# Altium PCB main_MM.PcbDoc (part 2 of 2)
Units mil, origin at the board's own origin, x right, y up, seen from the top; angles counter-clockwise.
Board outline 3012.01 x 3916.34 mil, 2 copper layers (Top Layer, Bottom Layer), stack 57.918 mil thick; 150 components, 93 nets, 477 pads, 89 vias.
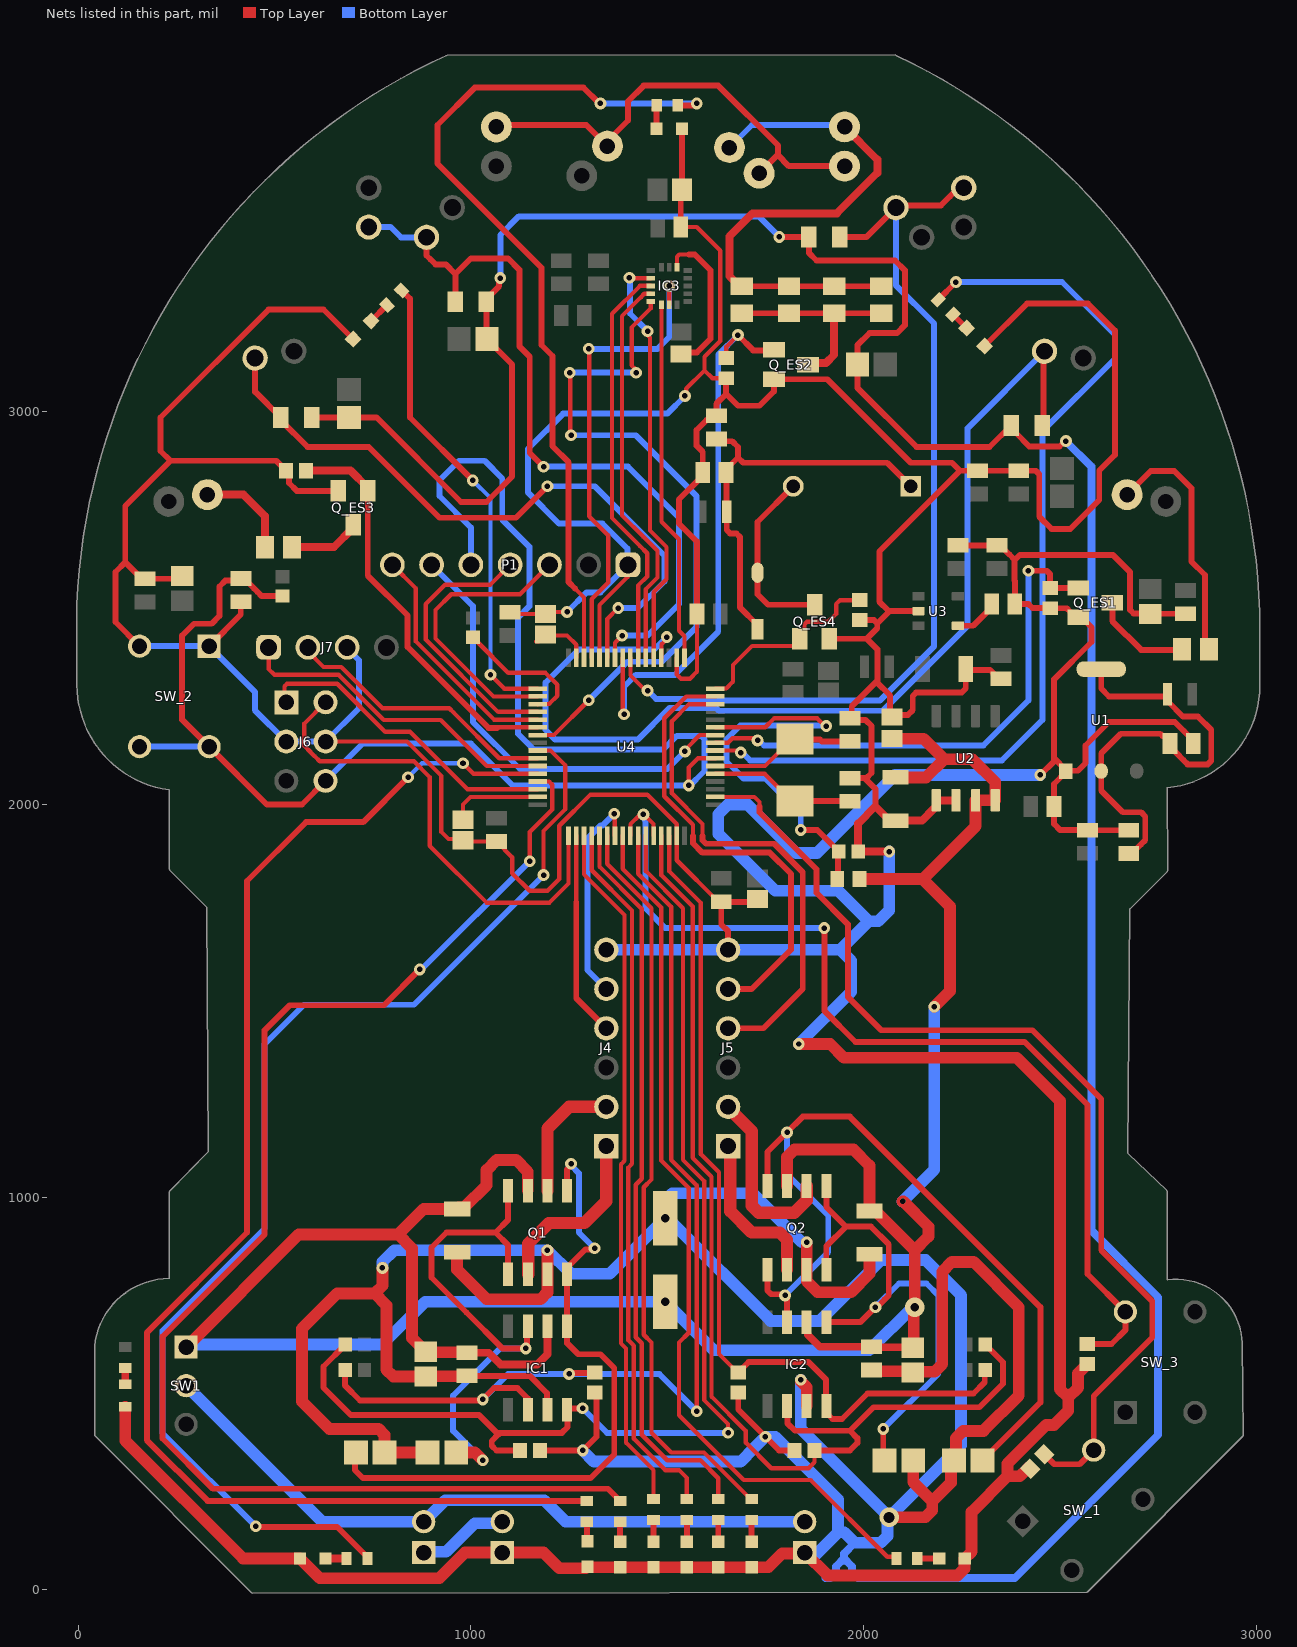
[diagram p2: the nets of this part, all layers, seen from the top]

## Via types
v1: diameter 30, hole 14, Top Layer to Bottom Layer, tented both sides, 73 vias
v2: diameter 98.43, hole 98.43, Top Layer to Bottom Layer, 4 vias
v3: diameter 50/50 (per signal layer), hole 21, Top Layer to Bottom Layer, 4 vias
v4: diameter 30, hole 14, Top Layer to Bottom Layer, tented top, 3 vias
v5: diameter 30, hole 14, Top Layer to Bottom Layer, 2 vias
v6: diameter 14, hole 14, Top Layer to Bottom Layer, tented bottom, 1 vias
v7: diameter 30, hole 15, Top Layer to Bottom Layer, 1 vias
v8: diameter 50, hole 28, Top Layer to Bottom Layer, 1 vias

## Nets (pads, with @x,y where several pads share a name; then routed paths per layer and width w, separated by ;. In a path a pad name is that pad's centre, name@x,y a point inside that pad or via, vN(x,y) a via of type N, cw(c..) or ccw(c..) an arc to the next point about the centre after c; other vN are vias at no path point) (continued)
AGND2: C_L_RE1.1 C_LF_RE1.1 C_R_RE1.1 NT3.2 R_L_R.1 R_LFr.1 R_R_R.1 R_RFr.1 | length 6978.9
  Top Layer w15: R_LFr.1@595,2985 C_LF_RE1.1@689.57,2985 ; C_LF_RE1.1@690,2985.43 759.57,2985.43 975,2770 1040,2770 1105,2835 1105,3119.88 1040.87,3184.02 C_L_RE1.1@1040.87,3185 ; C_L_RE1.1@1040.24,3185 1040.24,3287.76 1072.13,3319.65 1072.13,3337.13 v1(1075,3340) ; v1(1785,3445) R_R_R.1@1860.63,3445 1860.63,3404.37 1880,3385 2080,3385 2105,3360 2105,3220 2085,3200 2015,3200 1984.13,3169.13 C_R_RE1.1@1984.13,3120 1984.13,3060.87 2135,2910 2320.63,2910 R_RFr.1@2375.63,2965 2387.82,2952.81 2387.82,2945.49 2421.83,2911.48 2498.71,2911.48 2512.24,2925 v1(2515,2925)
  Bottom Layer w15: v1(1075,3340) 1075,3450 1122.26,3497.26 1732.74,3497.26 v1(1785,3445)
  Bottom Layer w20: 1999.96,30 NT3.2@2010,30 2385,30 2750,395 2750,745 2580,915 2580,2860 v1(2515,2925)
BOOT0: R_PB1.1 SW_3.2 U4.57 U4.60 | length 2559.2
  Top Layer w11: U4.57@1406.22,1920.67 1406.5,1920.95 1406.5,1949.88 1427.98,1971.36 1436.38,1971.36 v1(1439.53,1974.52) ; v1@1440,1975 1465,1950 1465,1920.95 U4.60@1465.28,1920.67
  Top Layer w15: v1(1900,1685) 1900,1474.37 1979.37,1395 2410,1395 2570,1235 2570,804.37 SW_3.2@2666.42,707.95 2666.42,661.42 2631.18,626.18 R_PB1.1@2570,626.18
  Bottom Layer w15: v1(1439.53,1974.52) 1442.4,1971.65 1442.4,1961.99 1445,1959.39 1445,1735 1495,1685 v1(1900,1685)
BUZZER: Q_ES4.1 R_BZ.2 U4.16 | length 517.4
  Top Layer w11: U4.16@1622.76,2294.69 1623.16,2295.09 1650.09,2295.09 1667.63,2312.63 1667.63,2355 1716.12,2403.49 1823.41,2403.49 1837.6,2417.67 Q_ES4.1@1837.6,2421.69 1849.31,2433.41 1849.31,2458.56 1855.76,2465 1910,2465 1930,2485 1930,2510 1940,2520 1989.41,2520 R_BZ.2@1990,2520.59
CE: P1.7 U4.37 | length 612.3
  Top Layer w11: P1.7@800,2610 860,2550 860,2415 1059.05,2215.95 U4.37@1170,2215.95
CLK: P1.3 U4.34 | length 731.2
  Top Layer w11: U4.34@1170,2275 1057.64,2275 910,2422.64 910,2495 950,2535 1125,2535 P1.3@1200,2610
CS: IC3.5 U4.39 | length 1759.4
  Top Layer w11: U4.39@1170,2176.58 1211.58,2176.58 v1(1300,2265) ; v1(1251.57,3099.36) 1253.28,3097.64 1253.28,2941.72 v1(1255,2940) ; v1@1416.86,3110.28 1409.27,3117.87 1409.27,3214.27 1457.76,3262.76 IC3.5@1457.76,3280.63
  Bottom Layer w15: v1(1251.57,3099.36) v1(1420.49,3099.36) ; v1(1255,2940) 1420,2940 1575,2785 1575,2452.27 1486.1,2363.37 1398.37,2363.37 v1(1300,2265)
D_C: P1.6 U4.10 | length 1149.1
  Top Layer w11: v1(1545,2135) 1545,2138.94 1582.63,2176.58 U4.10@1622.76,2176.58
  Bottom Layer w15: P1.6@900,2610 1005,2505 1005,2210 1125,2090 1500,2090 v1(1545,2135)
DATA_IN: P1.4 U4.36 | length 707.8
  Top Layer w11: P1.4@1100,2610 1049.67,2559.67 934.67,2559.67 885,2510 885,2420 1069.37,2235.63 U4.36@1170,2235.63
DIAGONAL_EMITTER: Q_ES2.1 R_EMPD2.2 U4.25 | length 1469.1
  Top Layer w11: U4.25@1386.54,2373.43 1386.81,2373.15 1386.81,2232.69 v1(1390,2229.51) ; R_EMPD2.2@1650,3136.18 1650,3165 v1(1680,3195)
  Top Layer w15: v1(1680,3195) 1718.8,3156.2 1770.49,3156.2 Q_ES2.1@1771.69,3157.4
  Bottom Layer w15: v1(1390,2229.51) 1390,2300 1420,2330 1520,2330 1630,2440 1630,3145 v1(1680,3195)
DRDY: IC3.6 U4.17 | length 923.7
  Top Layer w11: IC3.6@1485.32,3272.76 1485.49,3272.58 1485.49,3205 1485.49,2719.51 1530,2675 1530,2442.36 1544.09,2428.27 1544.09,2404.09 1544.09,2373.5 U4.17@1544.02,2373.43
GND: C_3.3V1.2 C_3.3V2.2 C_3.3V4.2 C_3.3V5.2 C_3V3RE1.2 C_3V3RE2.2 C_3V3RE3.2 C_3V3RE4.2 C_5V_1.2 C_5V_2.2 C_BAT.2 C_BZ1.2 C_BZ2.2 C_EM1.2 C_EM2.1 C_EM3.2 C_EM4.1 C_EM5.2 C_EM6.1 C_OSC1.2 C_OSC2.2 C_RST1.2 C_V1.1 C_V2.2 C_V3.2 C_V4.2 C_VBAT3.2 C_VBAT4.1 C_VCAP1.1 C_VCAP2.1 CNR1.2 J1.1 J2.1 J4.6 J5.6 J6.3 J6.4 J7.3 LED1.1 LED2.1 LED3.1 LED4.1 LED5.1 LED6.1 LED7.1 LED8.1 LED9.1 LED10.1 LED11.1 NT1.2 NT2.1 NT3.1 P1.1 PWR.2 Q_ES1.2 Q_ES2.2 Q_ES3.2 Q_ES4.2 R_BT1.1 R_BZ.1 R_EMPD1.1 R_EMPD2.1 R_EMPD3.1 R_LM1.1 R_LM2.1 R_PB1.2 R_RM1.1 R_RM2.1 R_VM2.1 SW_2.1 SW_2.3 U1.1 U2.1 U2.2 U3.2 U4.18 U4.28 U4.63 | length 23991.6
  Top Layer w11: J6.4@630,2160 837.33,2160 925,2072.33 925,1930 943.25,1911.75 977.1,1911.75 C_VCAP2.1@980,1908.86 983.38,1905.47 C_V2.2@1065,1905.47 1105,1865.47 1105,1825 1150,1780 1195,1780 1225,1810 1225,1945.55 1304.45,2025 1448.94,2025 1524.05,1949.88 1524.05,1920.95 U4.63@1524.33,1920.67 1524.47,1920.53 1524.47,1857.67 C_V3.2@1629.56,1752.58 ; C_V4.2@1092.13,2489.06 C_V4.2@1100,2489.06 1104.06,2485 C_VCAP1.1@1190,2485 1195,2490 v1(1245,2490) ; U4.28@1327.48,2373.43 1327.48,2507.48 1400,2580 P1.1@1400,2610 P1.1@1384.95,2594.95 ; U4.18@1524.33,2373.43 1524.33,2330.67 1535,2320 1557.87,2320 1575.94,2338.07 C_V1.1@1575.94,2485 ; C_EM3.2@1534.53,3470 1575,3470 1635,3410 1635,3180 1595,3140 1595,3105 ; v1(1545,3040) 1548.64,3043.64 1548.64,3058.64 1595,3105 ; R_EMPD2.1@1650,3085 1615,3085 1595,3105
  Top Layer w15: SW_2.3@156.42,2402.95 95,2464.37 95,2591.65 120,2616.65 ; C_EM4.1@265,2581.5 258.03,2574.53 C_EM5.2@170,2574.53 162.13,2574.53 120,2616.65 ; SW_2.1@333.58,2402.95 414.16,2483.53 414.16,2515.1 C_RST1.2@415,2515.94 ; J6.3@523.43,2160 J6.3@530,2160 ; R_EMPD3.1@529.41,2848.03 528.48,2849.33 519.19,2862.19 517.22,2862.19 504.41,2875 235,2875 ; R_EMPD3.1@529.41,2850 536.82,2842.59 536.82,2818.18 556.69,2798.31 Q_ES3.2@662.6,2798.31 ; LED9.1@700,3185 625,3260 485,3260 210,2985 210,2900 235,2875 ; R_LM2.1@1176.18,355 v1(1285,355) 1319.95,389.95 1319.95,497.64 R_LM1.1@1315,502.6 ; C_EM3.2@1534.53,3470 1534.53,3561.54 1537.48,3564.49 LED11.1@1537.48,3720 ; C_V1.1@1575.94,2485 1575.94,2669.06 1530,2715 1530,2776.65 1590.47,2837.13 C_BZ2.2@1590.47,2845 1590.47,2897.8 1575,2913.28 1575,2953.24 1600.09,2978.33 1613.8,2978.33 C_BZ1.2@1625,2989.53 1625,3020 1650,3045 ; C_V3.2@1637.43,1752.58 1637.43,1694.35 1655,1676.78 J5.6@1655,1630 ; C_V3.2@1644.07,1751.64 1722.79,1751.64 C_BAT.2@1730,1758.86 ; R_EMPD2.1@1650,3085 1650,3045 ; R_RM2.1@1680.79,502.6 1680.79,459.21 v1(1750,390) 1785,355 R_RM1.1@1823.82,355 ; Q_ES4.2@1916.91,2421.69 2008.31,2421.69 ; C_OSC2.2@1965,2066.88 2006.88,2066.88 2020,2080 2020,2200 2005.29,2214.71 1967.69,2214.71 1965,2217.4 1969.82,2222.22 1969.82,2249.82 2032.35,2312.35 ; R_BZ.1@1990,2469.41 2026.03,2469.41 2034.81,2460.62 ; 2005.29,2064.45 2030,2039.73 2030,1995 ; C_VBAT3.2@2066.38,1958.62 C_VBAT3.2@2081.15,1958.62 ; U3.2@2139.61,2492.4 2066.59,2492.4 ; U2.1@2179.39,1989.39 2180.69,1989.39 2185,1993.7 U2.1@2185,2010.43 ; C_3.3V1.2@2240,2659.53 C_3.3V2.2@2340,2659.53 ; LED10.1@2307.97,3167.03 2415.93,3275 2571.21,3275 2640,3206.21 2640,2890 2600,2850 2600,2775 2526.21,2701.21 2478.79,2701.21 2447.27,2732.73 2447.27,2840.74 2438.48,2849.53 C_3.3V5.2@2395,2849.53 C_3.3V4.2@2290,2849.53 2245.47,2849.53 ; C_3.3V2.2@2347.87,2659.53 2371.2,2636.2 2371.47,2636.2 2385.19,2622.48 ; C_5V_2.2@2350,2320 2342.13,2320 2330.93,2331.2 2330.93,2333.68 2322.14,2342.47 2262.65,2342.47 C_5V_1.2@2260.12,2345 2260.12,2295.12 2250,2285 2133.79,2285 2125,2276.21 2125,2240 2112.58,2227.58 2077.31,2227.58 C_VBAT4.1@2072.29,2222.56 2066.99,2227.86 2066.99,2277.71 2032.35,2312.35 ; v4(2450,2075) 2485,2110 2485,2117.44 ; C_3V3RE3.2@2675,1934.06 2674.76,1934.29 2570.24,1934.29 C_3V3RE2.2@2570,1934.53 2500.47,1934.53 2485,1950 2485,1994.53 C_3V3RE1.2@2484.53,1995 2484.53,2052.08 2514.84,2082.4 U1.1@2514.84,2085 ; C_EM1.2@2820,2485.47 2730.47,2485.47 C_EM6.1@2730,2485 2728.79,2486.21 2687.38,2486.21 2678.6,2495 2678.6,2591.4 2634.51,2635.49 2442.22,2635.49 2441.72,2635 2397.71,2635 2385.19,2622.48 ; C_3V3RE4.2@2839.06,2155 2839.06,2162.87 2815.73,2186.2 2815.73,2186.47 2792.2,2210 2625,2210 2565,2150 2565,2105 2545.72,2085.72 2515.57,2085.72 U1.1@2514.84,2085 ; 120,2616.65 120,2760 235,2875 ; 1650,3045 1680,3015 1735,3015 1771.69,3051.69 Q_ES2.2@1771.69,3082.6 1907.4,3082.6 2120,2870 2225,2870 2245.47,2849.53 ; 2008.31,2421.69 2034.81,2448.2 2034.81,2460.62 ; 2008.31,2421.69 2035,2395 2035,2315 2032.35,2312.35 ; 2034.81,2460.62 2066.59,2492.4 ; 2066.59,2492.4 2063.79,2492.4 2040,2516.19 2040,2644.06 2245.47,2849.53 ; 2385.19,2622.48 2384.02,2621.31 2384.02,2569.97 2385.19,2568.8 CNR1.2@2385.19,2510 2420,2510 2430,2500 2474.41,2500 R_EMPD1.1@2475,2499.41 2517.19,2499.41 2526.63,2489.96 2526.63,2488.46 2538.82,2476.28 Q_ES1.2@2546.69,2476.28 2554.57,2476.28 2580,2450.84 2580,2413.7 2485,2318.7 2485,2117.44 ; 2485,2117.44 2514.84,2087.6 U1.1@2514.84,2085
  Top Layer w20: v1(2065,1880) R_VM2.1@1986.09,1880 1986.09,1951.09 2030,1995 C_VBAT3.2@2066.38,1958.62 ; C_VBAT3.2@2081.15,1958.62 2148.62,1958.62 U2.1@2179.39,1989.39 ; U2.1@2185,2010.43 U2.2@2235,2010.43
  Top Layer w30: PWR.2@120,466.46 120,380 420,80 LED7.1@565.04,80 ; LED7.1@565.79,79.25 615.04,30 920,30 985,95 J2.1@1080,95 1185,95 1225,55 1292.48,55 1295,57.52 LED2.1@1380,57.52 LED3.1@1465,57.52 LED4.1@1550,57.52 LED5.1@1630,57.52 LED6.1@1715,57.52 1757.52,57.52 1793.05,93.05 1848.05,93.05 J1.1@1850,95 1908.17,36.83 2239.16,36.83 2256.73,54.4 LED8.1@2256.73,79.25 ; v5(1835,1390) 1915,1390 1950,1355 2390,1355 2500,1245 2500,805 2500,511.49 2521.12,490.37 ; LED8.1@2257.48,80 2275,97.52 2275,198.06 2366.12,289.18 ; R_BT1.1@2423.81,308.81 2422.42,310.2 2418.58,310.2 2397.55,289.18 2366.12,289.18 ; R_PB1.2@2570,575 2568.03,575 2565.31,572.28 2565.31,570.31 2546.12,551.12 2546.12,515.37 2521.12,490.37 ; 2366.12,289.18 2366.12,321.12 2465,420 2485,420 2521.12,456.12 2521.12,490.37
  Bottom Layer w11: P1.1@1398.45,2611.55 P1.1@1400,2610
  Bottom Layer w15: SW_2.3@156.42,2402.95 SW_2.1@333.58,2402.95 450,2286.54 450,2240 J6.3@530,2160 J6.4@630,2160 715,2245 715,2367.22 685,2397.22 J7.3@685,2400 ; v1(1245,2490) 1295,2540 1330,2540 P1.1@1400,2610 ; P1.1@1398.45,2611.55 1398.45,2651.55 1335,2715 1224.52,2715 1145,2794.52 1145,2905 1235,2995 1500,2995 v1(1545,3040) ; J1.1@1850,95 J1.1@1874.04,95
  Bottom Layer w20: 1903.09,30 NT2.1@1915,30 1930,45 1930,60 1950,80 ; NT1.2@1977.57,120 1950,92.43 1950,80 ; NT3.1@1998.09,30 1985.55,30 1970,45.55 1970,60 1950,80
  Bottom Layer w30: v1(1285,355) 1313.28,326.72 1686.72,326.72 1721.72,361.72 v1(1750,390) 1775,390 1935,230 1935,146.91 ; J4.6@1345,1630 J5.6@1655,1630 1940,1630 ; v5(1835,1390) 1968.14,1523.14 1968.14,1601.86 1940,1630 ; J1.1@1874.04,85.96 1935,146.91 ; 1995,120 NT1.2@1977.57,120 1950.66,146.91 1935,146.91 ; v1(2065,1880) 2065,1730 2037.5,1702.5 2012.5,1702.5 ; v4(2450,2075) 2080,2075 1881.44,1876.44 1827.59,1876.44 1704.03,2000 1655,2000 1630,1975 1630,1925 1775,1780 1935,1780 2012.5,1702.5 ; 1940,1630 2012.5,1702.5
INT: IC3.7 U4.29 | length 1219.4
  Top Layer w11: v1(1300,3160) 1301.66,3158.34 1301.66,2733.34 1350,2685 1350,2565 1307.8,2522.8 U4.29@1307.8,2373.43 ; IC3.7@1505,3272.76 v1(1505,3320)
  Bottom Layer w15: v1(1300,3160) 1475,3160 1505,3190 v1(1505,3320)
JTCK: J6.2 U4.49 | length 1216
  Top Layer w11: J6.2@630,2260 576.05,2206.05 576.05,2153.59 576.05,2149.03 592.19,2132.89 592.74,2132.34 ccw(c630,2160) 602.34,2122.74 602.89,2122.19 615.08,2110 855,2110 895,2070 895,1895 1040,1750 1200,1750 1248.74,1798.74 U4.49@1248.74,1920.67
JTMS: J6.1 U4.46 | length 800.6
  Top Layer w11: J6.1@530,2260 525.57,2264.43 525.57,2300.57 532.01,2307.01 659.6,2307.01 781.62,2185 845,2185 991.22,2038.78 U4.46@1170,2038.78
L_RECEIVER: Q_RS2.1 Q_RS5.1 R_L_R.2 U4.26 | length 1963.8
  Top Layer w11: U4.26@1366.85,2373.43 1366.85,2411.85 v1(1385,2430)
  Top Layer w15: Q_RS2.1@895,3438.4 Q_RS2.1@897.73,3435.67 ; Q_RS2.1@895.72,3435.44 Q_RS2.1@887.2,3443.96 887.2,3397.8 897.73,3387.27 910,3375 936.26,3375 960.63,3350.63 ; R_L_R.2@960.63,3280 960.63,3350.63 ; v1(1185,2860) 1150,2895 1150,3140 1123.57,3166.44 1123.57,3361.43 1095,3390 1000,3390 960.63,3350.63
  Bottom Layer w15: Q_RS5.1@740,3470 795.86,3470 821.89,3443.96 Q_RS2.1@887.2,3443.96 ; Q_RS2.1@894.2,3439.2 Q_RS2.1@895,3438.4 ; v1(1185,2860) 1400,2860 1530,2730 1530,2510 1450,2430 v1(1385,2430)
LED1: RL1.2 U4.44 | length 3588.7
  Top Layer w11: v7(980,2104.78) 980.22,2104.78 1006.85,2078.15 U4.44@1170,2078.15
  Top Layer w15: v1(840,2069.37) 725.63,1955 580,1955 430,1805 430,910 175,655 175,381.46 329.73,226.73 RL1.2@1295.01,226.73
  Bottom Layer w11: v1(840,2069.37) 875.63,2105 979.78,2105 v7(980,2104.78)
LED2: RL2.2 U4.45 | length 3491.9
  Top Layer w11: v1(1150,1855.49) 1150,1930 1207.12,1987.12 1207.12,2050.28 1199.21,2058.19 1170.28,2058.19 U4.45@1170,2058.47
  Top Layer w15: v5(870,1580) 778.79,1488.79 538.79,1488.79 475,1425 475,905 215,645 215,385.75 343.05,257.7 1348.95,257.7 1371.51,235.13 1371.51,232.11 1376.98,226.64 RL2.2@1380,226.64
  Bottom Layer w15: v5(870,1580) 874.51,1580 v1(1150,1855.49)
LED3: RL3.2 U4.51 | length 1769.9
  Top Layer w11: U4.51@1288.11,1920.67 1288.11,1821.89 1391.41,1718.59 1391.41,1092.67 1382.25,1083.52 1382.25,627.67 1395,614.92 1395,375 1465,305 RL3.2@1465,231.64
LED4: RL4.2 U4.52 | length 1817.4
  Top Layer w11: U4.52@1307.8,1920.67 1307.8,1832.2 1410.28,1729.72 1410.28,1084.86 1401.13,1075.7 1401.13,635.49 1415,621.62 1415,385 1495,305 1530,305 1550,285 RL4.2@1550,231.64
LED5: RL5.2 U4.53 | length 1876.2
  Top Layer w11: U4.53@1327.48,1920.67 1327.48,1841.59 1435,1734.07 1435,1046.69 1420,1031.69 1420,643.31 1435,628.31 1435,395 1500,330 1584.44,330 1630,284.44 RL5.2@1630,231.64
LED6: RL6.2 U4.54 | length 1908.7
  Top Layer w11: U4.54@1347.17,1920.67 1347.17,1848.59 1460,1735.76 1460,1045 1440.07,1025.07 1440.07,649.93 1460,630 1460,400 1510,350 1593.62,350 1711.98,231.64 RL6.2@1715,231.64
LED7: R_LED7.2 U4.41 | length 3030.1
  Top Layer w11: U4.41@1170,2137.21 1202.79,2137.21 1240,2100 1240,1987.34 1185,1932.34 v1(1185,1820)
  Top Layer w15: v1(452.35,162.35) 454.7,160 659.66,160 736.64,83.02 R_LED7.2@736.64,80
  Bottom Layer w15: v1(452.35,162.35) 215,399.7 215,660 475,920 475,1390 575,1490 855,1490 v1(1185,1820)
LED8: RL8.2 U4.56 | length 2260.4
  Top Layer w11: U4.56@1386.54,1920.67 1386.54,1835.91 1485,1737.45 1485,1093.31 1555,1023.31 1555,655 1530,630 1530,445 1695,280 1865,280 2060.33,84.67 2078.69,84.67 RL8.2@2083.36,80
LED9: RL9.2 U4.33 | length 1207.1
  Top Layer w11: v1(1050,2330) 1085.31,2294.69 U4.33@1170,2294.69
  Top Layer w15: RL9.2@823.84,3308.84 845,3287.68 845,2985 v1(1005,2825)
  Bottom Layer w11: v1(1005,2825) 1050,2780 v1(1050,2330)
LED10: RL10.2 U4.8 | length 2466.5
  Top Layer w11: U4.8@1622.76,2137.21 1676.8,2137.21 1681.88,2132.13 v1(1687.02,2132.13)
  Top Layer w15: RL10.2@2190,3285 v1(2235,3330)
  Bottom Layer w15: v1(1687.02,2132.13) 1691.08,2132.13 1711.19,2112.02 2352.02,2112.02 2455,2215 2455,2950 2640,3135 2640,3195 2505,3330 v1(2235,3330)
LED11: RL11.2 U4.30 | length 2277.5
  Top Layer w11: 1265,2550 1288.11,2526.89 U4.30@1288.11,2373.43
  Top Layer w15: 1265,2550 1249,2566 1249,2871 1207.87,2912.13 1207.87,3141.93 1180,3169.81 1180,3366.5 915,3631.5 915,3730 1010,3825 1286.97,3825 1326.97,3785 v1(1330,3785) ; RL11.2@1526.64,3780 1565.94,3780 1570.94,3785 v1(1575,3785)
  Bottom Layer w15: v1(1330,3785) v1(1575,3785)
LENCHA: J4.4 U4.50 | length 522.4
  Top Layer w11: 1268.43,1751.57 U4.50@1268.43,1920.67
  Top Layer w15: 1268.43,1751.57 1268.43,1506.57 J4.4@1345,1430
LENCHB: J4.5 U4.55 | length 553.5
  Top Layer w11: v1(1365,1976.1) 1366.57,1974.53 1366.57,1920.95 U4.55@1366.85,1920.67
  Bottom Layer w15: J4.5@1345,1530 1296.59,1578.41 1296.59,1912.57 1330.74,1946.72 1335.62,1946.72 v1(1365,1976.1)
LF_EMITTER: Q_ES3.1 R_EMPD3.2 U4.38 | length 1039
  Top Layer w11: 1066.26,2195.07 1067.45,2196.26 U4.38@1170,2196.26
  Top Layer w15: Q_ES3.1@737.4,2798.31 737.4,2582.6 839,2481 839,2401 1044.93,2195.07 1066.26,2195.07
  Top Layer w20: R_EMPD3.2@580.59,2850 693.58,2850 737.4,2806.18 Q_ES3.1@737.4,2798.31
LF_RECEIVER: Q_RS1.1 R_LFr.2 U4.27 | length 1720.2
  Top Layer w11: U4.27@1347.17,2373.43 1347.17,2472.17 v1(1375,2500)
  Top Layer w15: Q_RS1.1@450.76,3136.32 450.76,3050.5 R_LFr.2@516.26,2985 516.26,2978.11 584.37,2910 740,2910 920,2730 1115,2730 v1(1195,2810)
  Bottom Layer w15: v1(1195,2810) 1315.66,2810 1492.83,2632.83 1492.83,2567.83 1425,2500 v1(1375,2500)
LPWMA: IC1.2 R_LM1.2 R_UP3.1 U4.58 | length 2779.4
  Top Layer w11: U4.58@1425.91,1920.67 1425.91,1823.24 1510,1739.14 1510,1095 1575,1030 v1(1575,455)
  Top Layer w15: R_UP3.1@680,560 680,520 717.87,482.13 1027.13,482.13 1059,514 1118.46,514 1145,487.46 IC1.2@1145,458.23 ; v1(1250,550) 1251.89,551.89 1313.11,551.89 R_LM1.2@1315,553.78
  Bottom Layer w15: v1(1030,485) 1095,550 v1(1250,550) 1480,550 v1(1575,455)
LPWMB: IC1.4 R_LM2.2 R_UP4.1 U4.59 | length 3013.9
  Top Layer w11: U4.59@1445.59,1920.67 1445.59,1830.24 1540,1735.83 1540,1095 1593.87,1041.13 1593.87,483.49 1654.91,422.46 1654.91,400.09 v1(1655,400)
  Top Layer w15: R_UP4.1@680,625 680,623.99 625,568.99 625,515 695,445 1021.01,445 1066.01,400 1074,400 ; R_LM2.2@1125,355 1065.19,355 1053.31,366.88 1053.31,379.31 1070.01,396.01 1074,400 ; IC1.4@1245,458.23 1246.28,456.95 1246.28,414.5 1231.79,400 1074,400 ; IC1.4@1246.28,458.35 1250.3,462.36 v1(1284.46,462.36)
  Bottom Layer w15: v1(1284.46,462.36) 1346.82,400 v1(1655,400)
MGND: C_M1.1 C_M2.2 C_M3.2 C_M4.1 C_M5.2 C_M6.2 C_M7.2 C_M8.2 C_MB_L1.1 C_MB_R1.1 C_MP1.2 IC1.3 IC2.3 NT1.1 Q1.3 Q2.3 | length 7424.1
  Top Layer w15: C_M1.1@990,545 1150,545 1193.57,501.43 1193.57,459.66 IC1.3@1195,458.23 ; v1@1840,530.94 v1(1840,535)
  Top Layer w30: v1(775,820) 775,775 755,755 ; C_M7.2@890,350 C_M8.2@780,350 780,395 765,410 640,410 570,480 570,665 660,755 755,755 ; C_MB_L1.1@965,859.88 965,815 1040,740 1177.43,740 1195,757.57 Q1.3@1195,803.23 v1(1195,865) ; C_M1.1@990,545 989.25,544.25 885.75,544.25 C_M2.2@885,543.5 802.57,543.5 785,561.08 785,725 755,755 ; v1@1840,530.94 1855,515.94 IC2.3@1855,468.23 ; v1(1855,885) Q2.3@1855,815 1855,785.8 1882.81,757.99 1967.99,757.99 2015,805 C_MB_R1.1@2015,854.76 ; C_M4.1@2020,560 2022.95,557.05 2121.46,557.05 C_M3.2@2125,553.5 2127.13,555.64 2180.64,555.64 2200,575 2200,810 2225,835 2280,835 2395,720 2395,495 2305,405 2253.75,405 2235,386.25 2235,335 C_M5.2@2230,330 2222.22,322.22 2222.22,273.11 2175,225.89 ; v8(2065,185) 2157.43,185 2175,202.57 2175,225.89 ; C_M6.2@2126.42,330 2126.42,274.47 2175,225.89
  Bottom Layer w30: v1(775,820) 775,835 805,865 v1(1195,865) 1255,805 1353.7,805 v3(1495,946.3) 1495,992.43 1512.57,1010 1718.09,1010 1843.09,885 v1(1855,885) ; v3@1500.41,946.3 1510.41,936.3 1511.79,936.3 1763.09,685 1888.09,685 2043.09,840 2158.09,840 2248.09,750 2248.09,368.09 v8(2065,185) ; v1(1840,535) 1840,410 v8(2065,185) ; NT1.1@1989.48,120 2043.6,120 2061.17,137.57 2061.17,181.17 v8(2065,185)
MOTOR_L_IN1: J4.1 Q1.2 | length 462.3
  Top Layer w31.5: Q1.2@1146.12,803.23 1146.12,881.8 1198.69,934.37 1289.37,934.37 1345,990 J4.1@1345,1130
MOTOR_L_IN2: J4.2 Q1.6 | length 331
  Top Layer w31.5: Q1.6@1195,1016.77 1195,1175 1250,1230 J4.2@1345,1230
MOTOR_R_IN1: J5.1 Q2.2 | length 419
  Top Layer w31.5: J5.1@1655,1130 1660.74,1124.26 1660.74,964.26 1715,910 1786.55,910 1805,891.55 Q2.2@1805,815
MOTOR_R_IN2: J5.2 Q2.6 | length 472.1
  Top Layer w31.5: J5.2@1655,1228.22 1715,1168.22 1715,978.45 1733.45,960 1823.09,960 1855,991.91 Q2.6@1855,1028.54
NetC_3V3RE3_1: C_3V3RE3.1 C_3V3RE4.1 L1.1 U1.2 U1.4 | length 1158.8